# Altium PCB Main_Board.PcbDoc
Units mm, origin at the board's own origin, x right, y up, seen from the top; angles counter-clockwise.
Board outline 104.26 x 57.15 mm, 2 copper layers (Top Layer, Bottom Layer); 99 components, 86 nets, 371 pads, 337 vias.
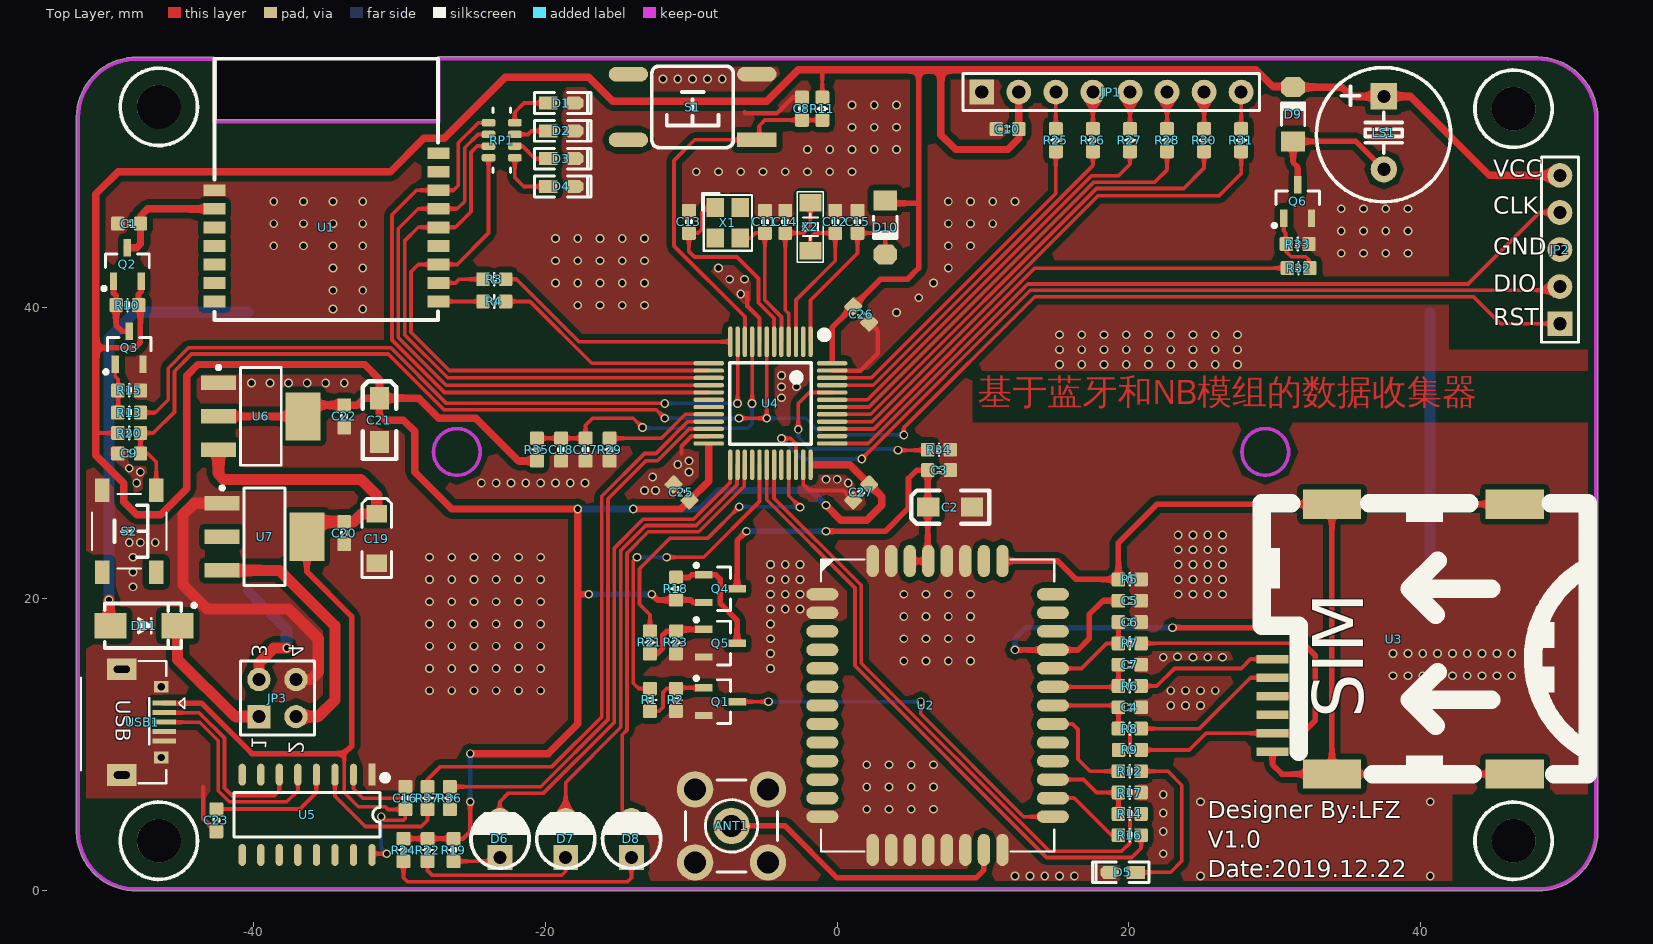
[diagram p0: Top Layer view]
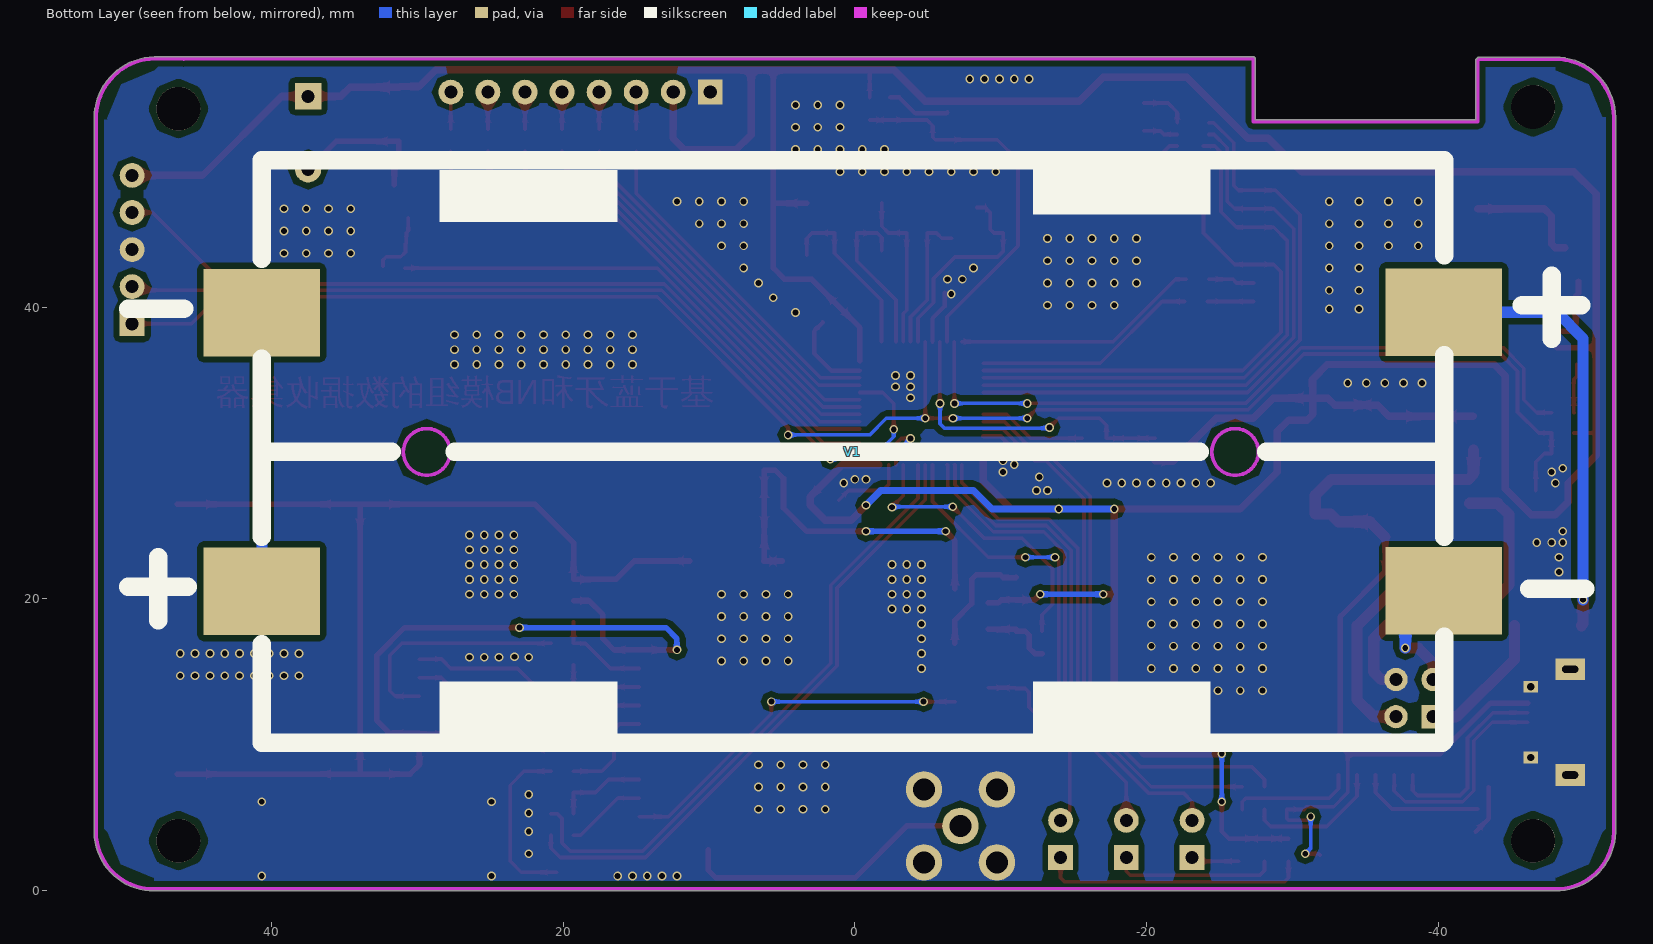
[diagram p1: Bottom Layer view, seen from below]

## Layer stack, top to bottom
Top Solder: solder mask 0.0102, Solder Resist, Dk 3.5
Top Layer: signal copper 0.0356
Dielectric 1: dielectric 0.32, FR-4, Dk 4.8
Bottom Layer: signal copper 0.0356
Bottom Solder: solder mask 0.0102, Solder Resist, Dk 3.5

## Board outline
-52.127,3.998 cw(c-52,4) -52.127,4 -52.127,53 cw(c-48,53) -48,57.127 -42.776,57.127 cw(c-42.776,57) -42.686,57.09 -42.582,56.986 -42.582,56.987 cw(c-42.672,56.896) -42.545,56.896 -42.545,52.832 -27.432,52.832 -27.432,57.023 cw(c-27.305,57.023) -27.305,57.15 47.999,57.15 cw(c48,57.023) 48.003,57.15 cw(c47.905,52.928) 52.128,52.928 cw(c47.905,52.928) 52.127,52.83 52.127,4 cw(c52,4) 52.127,3.998 cw(c48.064,4.063) 47.999,0 cw(c48.064,4.063) 47.998,0 48,0 -47.999,0 ccw(c-48.064,4.063) -47.998,0 -47.999,0 cw(c-48.064,4.063)

## Design rules (kind name [scope] priority, off if disabled: settings)
Clearance Clearance_2 [InNamedPolygon('GND_L02_P004')] p1: gap=0.381 ignorepadtopadclearanceinfootprint=FALSE
Clearance Clearance_1 [InNamedPolygon('GND_L01_P002')] p2: gap=0.381 ignorepadtopadclearanceinfootprint=FALSE
Clearance [All] p3: gap=0.254 ignorepadtopadclearanceinfootprint=FALSE except(0: Arc-Hole Track-Hole SMDPad-Hole THPad-Hole Via-Hole Fill-Hole Poly-Hole Region-Hole Text-Hole; 0.178: Arc-Arc Arc-Track Arc-SMDPad Track-Track Track-SMDPad SMDPad-SMDPad)
PlaneConnect isvia [isvia] p1: planeconnectstyle=Direct reliefexpansion=0.508 reliefentries=4 reliefconductorwidth=0.254 reliefairgap=0.254
PlaneConnect [All] p2: planeconnectstyle=Relief reliefexpansion=0.508 reliefentries=4 reliefconductorwidth=0.508 reliefairgap=0.254
PolygonConnect PolygonConnect_2 [All vs IsNamedPolygon('GND_L02_P004')] p1: connectstyle=Direct reliefconductorwidth=0.254 reliefentries=4 polygonreliefangle="90 Angle" airgapwidth=0.254
PolygonConnect PolygonConnect_1 [All vs IsNamedPolygon('GND_L01_P002')] p2: connectstyle=Direct reliefconductorwidth=0.254 reliefentries=4 polygonreliefangle="90 Angle" airgapwidth=0.254
PolygonConnect [All] p3: connectstyle=Relief reliefconductorwidth=0.254 reliefentries=4 polygonreliefangle="90 Angle" airgapwidth=0.254
RoomDefinition NB-Blue [InComponentClass('NB-Blue')] p1: confinementstyle=ConfineIn formatcopy=TRUE lockcomponents=FALSE outline -80.518,-28.194 499.237,-28.194 499.237,306.451 -80.518,306.451
RoutingVias [All] p1: holewidth=0.4 width=0.6 viastyle="Through Hole" minholewidth=0.3 minwidth=0.6 maxholewidth=3 maxwidth=3
SolderMaskExpansion [All] p1: expansion=0.102
Width [All] p1: maxlimit=5 minlimit=0.178 preferedwidth=0.254
29 further rules are at their usual default settings.

## Components (designator, comment, footprint, x,y, rotation, side; value= is the part's Value field where it differs from the comment)
ANT1 "ANT" SMA_FR -7.239,4.445 r180 top
C1 "100nF" 0603CC -48.514,45.72 r270 top
C2 "470uF/35V" C3216 7.747,26.289 r0 top
C3 "100nF" 0603CC 6.985,28.829 r270 top
C4 "33P" 0603CC 20.053,12.573 r90 top
C5 "100nF" 0603CC 20.053,19.875 r270 top
C6 "33P" 0603CC 20.053,18.415 r270 top
C7 "33P" 0603CC 20.053,15.494 r270 top
C8 "100nF" 0603CC -2.413,53.594 r180 top
C9 "10uF" 0603CC -48.514,29.972 r90 top
C10 "100nF" 0603CC 11.684,52.197 r270 top
C11 "22p" 0603CC -4.953,45.847 r0 top
C12 "22p" 0603CC -0.127,45.847 r180 top
C13 "22p" 0603CC -10.16,45.847 r0 top
C14 "22p" 0603CC -3.556,45.847 r180 top
C15 "100nF" 0603CC 1.397,45.847 r180 top
C16 "100nF" 0603CC -29.591,6.35 r180 top
C17 "10uF" 0603CC -17.243,30.239 r180 top
C18 "100nF" 0603CC -18.914,30.239 r180 top
C19 "470uF/35V" "CD A(3216)" -31.548,24.13 r270 top
C20 "100nF" 0603CC -33.782,24.511 r180 top
C21 "470uF/35V" C3216 -31.369,32.258 r270 top
C22 "100nF" 0603CC -33.782,32.512 r180 top
C23 "100nF" 0603CC -42.545,4.826 r0 top
C25 "1uF" 0603CC -10.668,27.305 r45 top
C26 "100nF" 0603CC 1.651,39.497 r225 top
C27 "10nF" 0603CC 1.651,27.305 r135 top
D1 "LED" "LED 0603G" -18.923,53.975 r0 top
D2 "LED" "LED 0603G" -18.923,52.07 r0 top
D3 "LED" "LED 0603G" -18.923,50.165 r0 top
D4 "LED" "LED 0603G" -18.923,48.26 r0 top
D5 "LED" "LED 0603G" 19.558,1.27 r180 top
D6 "LED" "LED 3MM-G" -23.114,3.556 r90 top
D7 "LED" "LED 3MM-G" -18.605,3.556 r90 top
D8 "LED" "LED 3MM-G" -14.097,3.556 r90 top
D9 "1N4148" "MINI_MELF (LL34)" 31.242,53.213 r90 top
D10 "1N4148" "MINI_MELF (LL34)" 3.302,45.466 r270 top
D11 "SS34" SMA -47.498,18.161 r0 top
JP1 "HDR-1X8" HDR2.54-M-LI-8P 18.796,54.737 r0 top
JP2 "HDR-1X5" HDR2.54-LI-5P 49.53,43.942 r90 top
JP3 "Header2X2" HDR2.54-LI-2x2P -38.354,13.208 r90 top
LS1 "DC5V" "BEEP 5x9x5.5" 37.465,51.943 r180 top
Q1 "SS8050" SOT23-3N -8.001,12.96 r270 top
Q2 "AO3401" SOT23-3N -48.641,42.926 r0 top
Q3 "SS8050" SOT23-3N -48.514,37.211 r0 top
Q4 "AO3401" SOT23-3N -8.001,20.701 r270 top
Q5 "SS8050" SOT23-3N -8.001,16.968 r270 top
Q6 "SS8050" SOT23-3N 31.562,47.244 r0 top
R1 "1K" 0603RR -12.827,13.081 r0 top
R2 "10K" 0603RR -11.049,13.081 r0 top
R3 "10R" 0603RR -23.495,41.91 r90 top
R4 "10R" 0603RR -23.495,40.386 r90 top
R5 "0R" 0603RR 20.053,21.336 r90 top
R6 "10R" 0603RR 20.053,14.034 r90 top
R7 "10R" 0603RR 20.053,16.954 r90 top
R8 "10R" 0603RR 20.053,11.112 r90 top
R9 "10K" 0603RR 20.066,9.652 r270 top
R10 "10K" 0603RR -48.641,40.132 r90 top
R11 "10K" 0603RR -1.016,53.594 r180 top
R12 "470R" 0603RR 20.053,8.191 r90 top
R13 "1K" 0603RR -48.514,32.766 r270 top
R14 "1K" 0603RR 20.053,5.271 r90 top
R15 "10K" 0603RR -48.514,34.29 r90 top
R16 "10R" 0603RR 20.053,3.81 r90 top
R17 "10K" 0603RR 20.053,6.731 r90 top
R18 "10K" 0603RR -11.049,20.701 r0 top
R19 "470R" 0603RR -26.289,2.794 r0 top
R20 "10K" 0603RR -48.514,31.369 r270 top
R21 "1K" 0603RR -12.827,17.018 r0 top
R22 "470R" 0603RR -28.067,2.794 r0 top
R23 "10K" 0603RR -11.049,17.018 r0 top
R24 "470R" 0603RR -29.718,2.794 r0 top
R25 "200R" 0603RR 14.986,51.435 r180 top
R26 "200R" 0603RR 17.526,51.435 r180 top
R27 "200R" 0603RR 20.066,51.435 r180 top
R28 "200R" 0603RR 22.606,51.435 r180 top
R29 "10K" 0603RR -15.592,30.239 r0 top
R30 "200R" 0603RR 25.146,51.435 r180 top
R31 "200R" 0603RR 27.686,51.435 r180 top
R32 "1K" 0603RR 31.623,42.672 r90 top
R33 "10K" 0603RR 31.562,44.323 r90 top
R34 "10K" 0603RR 6.985,30.226 r270 top
R35 "10R" 0603RR -20.574,30.239 r180 top
R36 "220" 0603RR -26.543,6.35 r0 top
R37 "220" 0603RR -28.067,6.35 r0 top
RP1 "470" 4x0603 -22.987,51.435 r270 top
S1 "SW-PB" "TSW SMD-6*6*6" -9.906,53.721 r180 top
S2 "SW-PB" "TSW SMD-4*4*1.5" -48.514,24.638 r270 top
U1 "XG-BM02X" XG-BM02X -42.672,39.116 r0 top
U2 "NBXX-01" X_LSD4NBN-LB05000001 -1.016,20.32 r0 top
U3 "USIM_6P" "SIM 6P 自弹" 33.909,8.001 r90 top
U4 "STM32F103C8" "LQFP48 7X7_M" -4.572,33.401 r180 top
U5 "CH340C" SOP16_L -36.322,5.207 r270 top
U6 "AMS1117-3.3" SOT223_N -39.497,32.512 r0 top
U7 "AMS1117-5.0V" SOT223_N -39.243,24.257 r0 top
USB1 "USB-5P" USB-MICRO_A -49.022,11.557 r270 top
V1 "18650*2" 18650*2 40.64,30.099 r180 bottom locked
X1 "8M" "OSC 3225-4P" -7.495,45.773 r270 top
X2 "32.768K" "OSC 3215-2P" -1.837,45.503 r270 top

## Footprints (in the part's own frame and the unit in brackets; to place one, negate y for a bottom-side part, rotate by r counter-clockwise, add the part's x,y. Pads: shape width x height; smd on the part's side, far side on the other; paste and mask are expansions set on the pad)
4x0603 [mm]
  rrect50% 0.508x0.94 smd mask+0.051: 1(-1.2,-0.9) 2(-0.4,-0.9) 3(0.4,-0.9) 4(1.2,-0.9) 5(1.2,0.9) 6(0.4,0.9) 7(-0.4,0.9) 8(-1.2,0.9)
  silkscreen extent -2.2,-0.6 2.2,0.6
0603CC [mm]
  rrect20% 0.95x0.92 smd: 1(0,0.775) 2(0,-0.775)
  silkscreen extent -0.17,-0.1 0.18,0.1, body extent -0.39,-0.8 0.39,0.8, height 0.79
0603RR [mm]
  rrect20% 0.95x0.92 smd: 1(0,0.775) 2(0,-0.775)
  silkscreen extent -0.43,-0.13 0.43,0.13, body extent -0.39,-0.8 0.39,0.8, height 0.3
18650*2 [mm]
  rect 8x6 smd: 1(0,-9.575) 2(81,-9.55) 3(81,9.55) 4(0,9.525)
  Keep-Out Layer circle w0.254: c66.7,-0.025 r1.6
  Keep-Out Layer circle w0.254: c11.3,-0.025 r1.6
  silkscreen extent -9.14,-19.95 90.68,19.95, body extent 4.06,-19.52 76.96,19.78, height 18
"BEEP 5x9x5.5" [mm] "5*9*5.5mm(脚距,直径,高度)"
  rect 1.8x1.8 hole 0.9: 1(0,-2.5)
  round 1.8 hole 0.9: 2(0,2.5)
  silkscreen extent -4.58,-4.47 4.62,4.72, body extent -4.5,-4.5 4.5,4.5, height 5.45
C3216 [mil] "A型/1206 3.2mmx1.6mm（蒜米工坊）"
  rect 60x51.18 smd: 1(-59,0) 2(59,0)
  silkscreen extent -105,-45 105,45, body extent -63,-31 63,32, height 63
"CD A(3216)" [mm] "长3.2mm，宽1.6mm，厚1.6mm"
  rect 1.2x1.4 smd: 1(-1.7,0) 2(1.7,0)
  silkscreen extent -2.74,-1.02 2.67,1.02, body extent -1.6,-0.8 1.6,0.8, height 1.6
HDR2.54-LI-2x2P [mm] "双排排针，2x2脚"
  rect 1.6x1.6 hole 0.9: 1(-1.27,1.27)
  round 1.6 hole 0.9: 2(-1.27,-1.27) 3(1.27,1.27) 4(1.27,-1.27)
  silkscreen extent -2.54,-2.54 2.54,2.54, body extent -2.54,-2.54 2.54,2.54, height 8.5
HDR2.54-LI-5P [mm] "排针，5脚"
  rect 1.7x1.7 hole 0.9: 1(-5.08,0)
  round 1.7 hole 0.9: 2(-2.54,0) 3(0,0) 4(2.54,0) 5(5.08,0)
  silkscreen extent -6.35,-1.27 6.35,1.27, body extent -6.35,-1.27 6.35,1.27, height 8.5
HDR2.54-M-LI-8P [mm] "排母，8脚"
  rect 1.7x1.7 hole 0.9: 1(-8.89,0)
  round 1.7 hole 0.9: 2(-6.35,0) 3(-3.81,0) 4(-1.27,0) 5(1.27,0) 6(3.81,0) 7(6.35,0) 8(8.89,0)
  silkscreen extent -10.16,-1.27 10.16,1.27, body extent -10.16,-1.27 10.16,1.27, height 8.5
"LED 3MM-G" [mm] "绿色3mm直插LED"
  rect 1.7x1.7 hole 0.9: 1(-1.27,0)
  round 1.7 hole 0.9: 2(1.27,0)
  silkscreen extent -2.01,-2 1.72,1.98, body extent -1.95,-1.95 1.64,1.95, height 5.55
"LED 0603G" [mil] "绿色0603LED"
  rect 50x35 smd: 1(-35,0.26)
  oct 50x35 smd: 2(35,0.26)
  silkscreen extent -71,-28 81,28, body extent -31,-16 32,16, height 18
"LQFP48 7X7_M" [mm] "48脚，体宽7x7mm，脚距0.5mm"
  oval 0.3x2.1 smd: 1(-2.75,-4.227) 2(-2.25,-4.227) 3(-1.75,-4.227) 4(-1.25,-4.227) 5(-0.75,-4.227) 6(-0.25,-4.227) 7(0.25,-4.227) 8(0.75,-4.227) 9(1.25,-4.227) 10(1.75,-4.227) 11(2.25,-4.227) 12(2.75,-4.227) 25(2.75,4.202) 26(2.25,4.202) 27(1.75,4.202) 28(1.25,4.202) 29(0.75,4.202) 30(0.25,4.202) 31(-0.25,4.202) 32(-0.75,4.202) 33(-1.25,4.202) 34(-1.75,4.202) 35(-2.25,4.202) 36(-2.75,4.202)
  oval 2.1x0.3 smd: 13(4.227,-2.75) 14(4.227,-2.25) 15(4.227,-1.75) 16(4.227,-1.25) 17(4.227,-0.75) 18(4.227,-0.25) 19(4.227,0.25) 20(4.227,0.75) 21(4.227,1.25) 22(4.227,1.75) 23(4.227,2.25) 24(4.227,2.75) 37(-4.227,2.75) 38(-4.227,2.25) 39(-4.227,1.75) 40(-4.227,1.25) 41(-4.227,0.75) 42(-4.227,0.25) 43(-4.227,-0.25) 44(-4.227,-0.75) 45(-4.227,-1.25) 46(-4.227,-1.75) 47(-4.227,-2.25) 48(-4.227,-2.75)
  silkscreen extent -3.93,-4.95 2.79,2.79, body extent -4.5,-4.5 4.5,4.5, height 1.45
"MINI_MELF (LL34)" [mm] "1.5*3.4mm(直径，脚距）"
  rect 1.37x1.62 smd: 1(-1.855,0)
  oct 1.37x1.62 smd: 2(1.855,0)
  silkscreen extent -0.76,-0.8 0.78,0.8, body extent -1.7,-0.75 1.7,0.75, height 1.5
"OSC 3215-2P" [mm] "3.2*1.5*0.6mm(长宽高)"
  rect 1.2x1.5 smd: 1(-1.65,0) 2(1.65,0)
  silkscreen extent -2.41,-0.89 2.41,0.89, body extent -1.6,-0.75 1.6,0.75, height 0.61
"OSC 3225-4P" [mm] "3.2*2.5*0.7mm(长宽高)"
  rect 1.3x1.2 smd: 1(-1.05,-0.85) 2(1.05,-0.85) 3(1.05,0.85) 4(-1.05,0.85)
  silkscreen extent -2.03,-1.75 1.91,1.65, body extent -1.6,-1.25 1.6,1.25, height 0.7
"SIM 6P 自弹" [mm]
  rect 0.6x2.2 smd: 1(2.794,4.064) 2(5.334,4.064) 3(7.874,4.064) 4(1.524,4.064) 5(4.064,4.064) 6(6.604,4.064)
  rect 2x4 smd: 4(0,0) 4(0,-12.53) 4(18.49,-12.53) 4(18.49,0)
  silkscreen extent 0,-17.53 18.54,4.83, body extent 1.27,-17.53 17.53,4.83, height 1.25
SMA [mm] "4.5x2.6*2.2mm（长宽高，不包括引脚）"
  rect 2.2x1.75 smd: 1(-2.3,0) 2(2.3,0)
  silkscreen extent -2.7,-1.52 3.56,1.52, body extent -2.53,-1.3 2.58,1.3, height 2.15
SMA_FR [mm] "SMA 90度射频天线座"
  round 2.5 hole 1.5: 1(0,0) 2(-2.5,2.5) 2(2.5,2.5) 3(-2.5,-2.5) 3(2.5,-2.5)
  silkscreen extent -3.15,-3.15 3.15,3.15, body extent -3.5,-3.5 3.5,11.6, height 10.26
SOP16_L [mm] "10.3*6.2*1.8mm（长宽高）"
  rect 1.5x0.5 smd: 1(-2.752,4.445)
  oval 1.5x0.5 smd: 2(-2.752,3.175) 3(-2.752,1.905) 4(-2.752,0.635) 5(-2.752,-0.635) 6(-2.752,-1.905) 7(-2.752,-3.175) 8(-2.752,-4.445) 9(2.752,-4.445) 10(2.752,-3.175) 11(2.752,-1.905) 12(2.752,-0.635) 13(2.752,0.635) 14(2.752,1.905) 15(2.752,3.175) 16(2.752,4.445)
  silkscreen extent -2.69,-5 1.52,5.49, body extent -3,-5 3,5, height 1.9
SOT23-3N [mm] "3x1.3x1mm(长宽高)"
  rect 0.5x1.2 smd: 1(-0.95,-1.143) 2(0.95,-1.143) 3(0,1.143)
  silkscreen extent -1.72,-1.78 1.5,0.7, body extent -1.5,-1.2 1.5,1.2, height 1.05
SOT223_N [mm] "SOT223, 4-Leads, Body 6.5x3.5mm, Pitch 2.3mm, Lead Span 7mm, IPC Medium Density"
  rect 2.4x1 smd: 1(-2.9,2.3) 2(-2.9,0) 3(-2.9,-2.3)
  rect 2.4x3.3 smd: 4(2.9,0)
  silkscreen extent -3.02,-3.35 1.4,3.47, body extent -1.85,-3.35 1.85,3.35, height 1.7
"TSW SMD-4*4*1.5" [mm] "轻触开关，长宽高：4*4*1.5mm"
  rect 1.6x1 smd: 1(-2.8,1.85) 2(-2.8,-1.85) 3(2.8,-1.85) 4(2.8,1.85)
  silkscreen extent -2.55,-2.55 2.55,2.55, body extent -3.2,-2.6 3.2,2.6, height 1.5
"TSW SMD-6*6*6" [mm] "6*6*6mm"
  rect 2.7x1 smd: 1(-4.4,2.261)
  oval 2.7x1 smd: 2(-4.4,-2.239) 3(4.4,-2.239) 4(4.4,2.261)
  silkscreen extent -2.79,-2.79 2.79,2.79, body extent -4.5,-3 4.5,3, height 5.95
USB-MICRO_A [mm] "micro型USB ，5.7*7.8*2.5mm"
  rect 0.35x1.6 smd: 1(-1.3,2.9) 2(-0.65,2.9) 3(0,2.9) 4(0.65,2.9) 5(1.3,2.9)
  rect 1.5x2 hole 0.5 slot 1.1 at 90 deg: 5(-3.625,0) 5(3.625,0)
  rect 0.8x1 hole 0.5: 5(-2.425,2.71) 5(2.425,2.71)
  silkscreen extent -4.19,-2.79 4.19,4.3, body extent -4,-2.71 4,2.89, height 2.8
X_LSD4NBN-LB05000001 [mm]
  round 0.6 on Top Overlay mask+0.051: 1(-1.62,0.02)
  oval 2.2x0.85 smd: 1(0,0) 2(0,-1.27) 3(0,-2.54) 4(0,-3.81) 5(0,-5.08) 6(0,-6.35) 7(0,-7.62) 8(0,-8.89) 9(0,-10.16) 10(0,-11.43) 11(0,-12.7) 12(0,-13.97) 13(0,-15.24) 22(15.8,-15.24) 23(15.8,-13.97) 24(15.8,-12.7) 25(15.8,-11.43) 26(15.8,-10.16) 27(15.8,-8.89) 28(15.8,-7.62) 29(15.8,-6.35) 30(15.8,-5.08) 31(15.8,-3.81) 32(15.8,-2.54) 33(15.8,-1.27) 34(15.8,0)
  round 0.6 on Mech1 mask+0.051: 2(1.82,0.02)
  oval 0.85x2.2 smd: 14(3.455,-17.52) 15(4.725,-17.52) 16(5.995,-17.52) 17(7.265,-17.52) 18(8.535,-17.52) 19(9.805,-17.52) 20(11.075,-17.52) 21(12.345,-17.52) 35(12.345,2.28) 36(11.075,2.28) 37(9.805,2.28) 38(8.535,2.28) 39(7.265,2.28) 40(5.995,2.28) 41(4.725,2.28) 42(3.455,2.28)
  silkscreen extent -0.1,-17.62 15.9,2.38, body extent -0.1,-17.62 15.9,2.38, height 2.2
XG-BM02X [mil]
  rect 59.06x32 smd: 1(0,350) 2(0,300) 3(0,250) 4(0,200) 5(0,150) 6(0,100) 7(0,50) 8(604,50) 9(604,100) 10(604,150) 11(604,200) 12(604,250) 13(604,300) 14(604,350) 15(604,400) 16(604,450)
  silkscreen extent 0,0 603,705

## Part data
ANT1: "SMA天线座"
C1 C3 C4 C5 C6 C7 C8 C9 C10 C11 C12 C13 C14 C15 C16 C17 C18 C20 C22 C23 C25 C26 C27: library part cap
C2 C19 C21: library part Ecap
D9: "高速开关二极管", BOM名称=高速开关二极管, 学习资源=www.ooocke.com, 版权归属=源创客
D10: library part D
D11: library part Diod
JP1: library part "Header 8", "8P接插件", BOM名称=8P接插件, 学习资源=www.ooocke.com, 版权归属=源创客
JP2: library part "Header 5", "5P接插件", BOM名称=5P接插件, 学习资源=www.ooocke.com, 版权归属=源创客
JP3: library part "Header 2X2", "2*2P接插件", BOM名称=2*2P接插件, 学习资源=www.ooocke.com, 版权归属=源创客
LS1: library part BEEP, "蜂鸣器", BOM名称=蜂鸣器, 学习资源=www.ooocke.com, 版权归属=源创客
Q1 Q3 Q5 Q6: library part 8050-SMD, "高频放大-NPN型", BOM名称=高频放大-NPN型, 学习资源=www.ooocke.com, 属性="40V 1.5A 1W 100MHZ", 版权归属=源创客
Q2 Q4: library part SI2301, "P沟道场效应管", BOM名称=P沟道场效应管, 学习资源=www.ooocke.com, 版权归属=源创客
R1 R2 R3 R4 R5 R6 R7 R8 R9 R10 R11 R12 R13 R14 R15 R16 R17 R18 R19 R20 R21 R22 R23 R24 R25 R26 R27 R28 R29 R30 R31 R32 R33 R34 R35 R36 R37: library part res
RP1: library part Resistor_Pack
S1 S2: "Switch", LatestRevisionDate=17-Jul-2002, LatestRevisionNote="Re-released for DXP Platform.", PackageReference=SPST-2, Published=24-Mar-1999, Publisher="Altium Limited"
U2: library part NB
U3: library part USIM-6P
U4: "Flaah:64/RAM:20/IO:36", BOM名称=32位STM单片机, 学习资源=www.ooocke.com, 版权归属=源创客
U6 U7: library part AMS1117
USB1: "微型USB母座", BOM名称=微型USB母座, 学习资源=www.ooocke.com, 版权归属=源创客
V1: library part 18650-2P
X1: library part XTAL-4P, "4脚无源晶振", BOM名称=4脚无源晶振, 学习资源=www.ooocke.com, 版权归属=源创客
X2: library part XTAL-2P, "2脚无源脚晶振", BOM名称=2脚无源脚晶振, 学习资源=www.ooocke.com, 版权归属=源创客

## Free pads (board coordinates)
  round 3 hole 3 unplated: 1(-46.482,53.721) 2(-46.482,3.429) 3(46.355,3.429) 4(46.355,53.594)

## Via types
v1: diameter 0.6, hole 0.4, Top Layer to Bottom Layer, tented both sides, 337 vias

## Nets (pads, with @x,y where several pads share a name; then routed paths per layer and width w, separated by ;. In a path a pad name is that pad's centre, name@x,y a point inside that pad or via, vN(x,y) a via of type N, cw(c..) or ccw(c..) an arc to the next point about the centre after c; other vN are vias at no path point)
ANT: ANT1.1 U2.20 | length 20.4
  Top Layer w0.381: ANT1.1 -3.556,4.445 0,0.889 9.525,0.889 10.059,1.423 U2.20
BEEP: R32.1 U4.39 | length 35.8
  Top Layer w0.254: U4.39 2.519,31.651 13.54,42.672 R32.1
Blue_EN: RP1.3 U1.12 U4.15 | length 39.3
  Top Layer w0.254: RP1.3 -24.657,51.035 -25.095,50.597 -25.095,46.533 -26.162,45.466 U1.12 -28.702,45.466 -29.642,44.526 -29.642,38.102 -26.691,35.151 U4.15
Blue_IN: RP1.2 U1.13 U4.16 | length 40.7
  Top Layer w0.254: RP1.2@-24.268,51.835 -24.619,51.835 -25.527,50.927 -25.527,47.244 -26.035,46.736 U1.13 -28.702,46.736 -30.074,45.364 -30.074,37.923 -26.801,34.651 U4.16
Blue_Power_Control: R13.1 U4.11 | length 49.8
  Top Layer w0.254: R13.1 -46.736,32.766 -45.847,33.655 -45.847,35.814 -44.45,37.211 -30.583,37.211 -26.774,33.402 -23.952,33.402 ; -23.952,33.401 v1(-11.811,33.401) ; v1(-6.822,33.401) U4.11
  Bottom Layer w0.254: v1(-11.811,33.401) v1(-6.822,33.401)
Blue_RST: RP1.1 U1.14 U4.17 | length 42.3
  Top Layer w0.254: RP1.1@-24.268,52.635 -24.581,52.635 -25.959,51.257 -25.959,48.336 -26.289,48.006 U1.14 -28.829,48.006 -30.505,46.33 -30.505,37.744 -26.912,34.151 U4.17
Blue_RXD_PA2: R3.2 U4.12 | length 17.2
  Top Layer w0.254: R3.2 -21.971,41.91 -17.689,37.628 U4.12
Blue_STATE: RP1.4 U1.10 U4.14 | length 37.2
  Top Layer w0.254: RP1.4 -23.887,45.074 -26.035,42.926 U1.10 -28.702,42.926 -29.21,42.418 -29.21,38.281 -26.58,35.651 U4.14
Blue_TXD_PA3: R4.2 U4.13 | length 15.5
  Top Layer w0.254: R4.2@-22.593,40.386 -21.058,40.386 -16.823,36.151 U4.13
GND: ANT1.2 ANT1.3 C1.2 C2.2 C3.1 C4.2 C5.1 C6.1 C7.1 C8.2 C9.1 C10.2 C11.1 C12.2 C13.1 C14.2 C15.2 C16.2 C17.1 C18.1 C19.2 C20.1 C21.2 C22.1 C23.2 C25.1 C26.1 C27.1 D1.2 D2.2 D3.2 D4.2 D5.2 JP1.1 JP2.3 JP3.4 Q1.2 Q3.2 Q5.2 Q6.2 R2.2 R5.2 R15.2 R17.2 R23.2 R29.2 R33.2 R34.1 S1.2 S2.2 U1.1 U2.1@-1.016,20.32 U2.2@-1.016,19.05 U2.13 U2.14 U2.15 U2.16 U2.17 U2.18 U2.19 U2.21 U2.37 U2.38 U2.41 U2.42 U4.8 U4.23 U4.35 U4.47 U5.1 U6.1 U7.1 USB1.4 USB1.5 | length 48.1
  Top Layer w0.254: U4.35 -2.322,27.849 -1.905,27.432 0.428,27.432 C27.1
  Top Layer w0.305: -43.434,7.112 -43.434,4.94 C23.2 ; -10.668,29.972 -10.668,30.468 -9.985,31.151 U4.23 ; -6.35,53.34 -6.286,53.276 -4.128,53.276 -3.035,54.369 C8.2 ; -6.147,40.996 -6.147,40.056 -5.322,39.231 U4.8 ; U4.47 1.615,35.651 2.794,36.83 2.794,38.354 C26.1
  Top Layer w0.762: U7.1 -44.055,26.557 -44.831,25.781 -44.831,20.955 -43.18,19.304 -37.592,19.304 -35.56,17.272 -35.56,14.986 -36.068,14.478 JP3.4
  other v1: 12.192,1.016 13.208,1.016 14.224,1.016 15.24,1.016 16.256,1.016 24.892,1.016 40.64,1.016 22.352,2.54 22.352,4.064 22.352,5.334 2.032,5.588 3.556,5.588 5.08,5.588 6.604,5.588 24.892,6.096 40.64,6.096 22.352,6.604 2.032,7.112 3.556,7.112 5.08,7.112 6.604,7.112 2.032,8.636 3.556,8.636 5.08,8.636 6.604,8.636 22.86,12.7 23.876,12.7 24.892,12.7 -27.94,13.716 -26.416,13.716 -24.892,13.716 -23.368,13.716 -21.844,13.716 -20.32,13.716 22.86,13.716 23.876,13.716 24.892,13.716 25.908,13.716 38.1,14.732 39.116,14.732 40.132,14.732 41.148,14.732 42.164,14.732 43.18,14.732 44.196,14.732 45.212,14.732 46.228,14.732 -27.94,15.24 -26.416,15.24 -24.892,15.24 -23.368,15.24 -21.844,15.24 -20.32,15.24 -4.572,15.24 4.572,15.748 6.096,15.748 7.62,15.748 9.144,15.748 22.352,16.002 24.384,16.002 25.4,16.002 26.416,16.002 23.325,16.034 -4.572,16.256 38.1,16.256 39.116,16.256 40.132,16.256 41.148,16.256 42.164,16.256 43.18,16.256 44.196,16.256 45.212,16.256 46.228,16.256 -27.94,16.764 -26.416,16.764 -24.892,16.764 -23.368,16.764 -21.844,16.764 -20.32,16.764 -4.572,17.272 4.572,17.272 6.096,17.272 7.62,17.272 9.144,17.272 -27.94,18.288 -26.416,18.288 -24.892,18.288 -23.368,18.288 -21.844,18.288 -20.32,18.288 -4.572,18.288 4.572,18.796 6.096,18.796 7.62,18.796 9.144,18.796 -4.572,19.304 -3.556,19.304 -2.54,19.304 -27.94,19.812 -26.416,19.812 -24.892,19.812 -23.368,19.812 -21.844,19.812 -20.32,19.812 -4.572,20.32 -3.556,20.32 -2.54,20.32 4.572,20.32 6.096,20.32 7.62,20.32 9.144,20.32 23.368,20.32 24.384,20.32 25.4,20.32 26.416,20.32 -48.26,20.828 -27.94,21.336 -26.416,21.336 -24.892,21.336 -23.368,21.336 -21.844,21.336 -20.32,21.336 -4.572,21.336 -3.556,21.336 -2.54,21.336 23.368,21.336 24.384,21.336 25.4,21.336 26.416,21.336 -48.26,21.844 -4.572,22.352 -3.556,22.352 -2.54,22.352 23.368,22.352 24.384,22.352 25.4,22.352 26.416,22.352 -48.26,22.86 -27.94,22.86 -26.416,22.86 -24.892,22.86 -23.368,22.86 -21.844,22.86 -20.32,22.86 23.368,23.368 24.384,23.368 25.4,23.368 26.416,23.368 -48.514,23.876 -47.752,23.876 -46.736,23.876 23.368,24.384 24.384,24.384 25.4,24.384 26.416,24.384 -48.514,24.638 -13.208,27.432 -12.446,27.432 -48.006,27.94 -24.384,27.94 -23.368,27.94 -22.352,27.94 -21.336,27.94 -20.32,27.94 -19.304,27.94 -18.288,27.94 -17.272,27.94 0.762,27.94 -0.762,28.194 0,28.194 -12.643,28.363 -47.752,28.702 -10.16,28.702 -48.514,28.956 -10.922,29.21 -10.16,29.464 -3.81,33.782 -3.81,34.544 -2.794,34.544 -40.132,34.798 -38.862,34.798 -37.592,34.798 -36.322,34.798 -35.052,34.798 -33.782,34.798 -3.81,35.306 -2.794,35.306 15.24,36.068 16.764,36.068 18.288,36.068 19.812,36.068 21.336,36.068 22.86,36.068 24.384,36.068 25.908,36.068 27.432,36.068 15.24,37.084 16.764,37.084 18.288,37.084 19.812,37.084 21.336,37.084 22.86,37.084 24.384,37.084 25.908,37.084 27.432,37.084 15.24,38.1 16.764,38.1 18.288,38.1 19.812,38.1 21.336,38.1 22.86,38.1 24.384,38.1 25.908,38.1 27.432,38.1 4.064,39.624 -34.544,39.878 -32.512,39.878 -17.78,40.132 -16.256,40.132 -14.732,40.132 -13.208,40.132 5.588,40.64 -6.604,40.894 -34.544,41.148 -32.512,41.148 -19.304,41.656 -17.78,41.656 -16.256,41.656 -14.732,41.656 -13.208,41.656 6.604,41.656 -7.366,41.91 -6.35,41.91 -34.544,42.672 -32.512,42.672 -8.128,42.672 7.62,42.672 -19.304,43.18 -17.78,43.18 -16.256,43.18 -14.732,43.18 -13.208,43.18 34.544,43.688 36.068,43.688 37.592,43.688 39.116,43.688 -38.608,44.196 -36.576,44.196 -34.544,44.196 -32.512,44.196 7.62,44.196 9.144,44.196 -19.304,44.704 -17.78,44.704 -16.256,44.704 -14.732,44.704 -13.208,44.704 34.544,45.212 36.068,45.212 37.592,45.212 39.116,45.212 -38.608,45.72 -36.576,45.72 -34.544,45.72 -32.512,45.72 7.62,45.72 9.144,45.72 10.668,45.72 34.544,46.736 36.068,46.736 37.592,46.736 39.116,46.736 -38.608,47.244 -36.576,47.244 -34.544,47.244 -32.512,47.244 7.62,47.244 9.144,47.244 10.668,47.244 12.192,47.244 -9.652,49.276 -8.128,49.276 -6.604,49.276 -5.08,49.276 -3.556,49.276 -2.032,49.276 -0.508,49.276 1.016,49.276 -2.032,50.8 -0.508,50.8 1.016,50.8 2.54,50.8 4.064,50.8 1.016,52.324 2.54,52.324 4.064,52.324 1.016,53.848 2.54,53.848 4.064,53.848 -11.938,55.626 -10.922,55.626 -9.906,55.626 -8.89,55.626 -7.874,55.626
LED1: D6.2 U4.25 | length 34.3
  Top Layer w0.254: D6.2 -23.114,6.096 -22.517,6.693 -20.128,6.693 -15.265,11.556 -15.265,23.495 -13.297,25.463 -9.842,25.463 -7.322,27.984 U4.25
LED2: D7.2 U4.26 | length 31.3
  Top Layer w0.254: D7.2 -18.605,7.429 -14.834,11.201 -14.834,23.316 -13.118,25.032 -9.664,25.032 -6.867,27.828 -6.867,29.199 U4.26
LED3: D8.2 U4.27 | length 30.2
  Top Layer w0.254: D8.2 -14.732,5.461 -14.732,10.692 -14.402,11.023 -14.402,23.137 -12.939,24.6 -9.485,24.6 -6.367,27.717 -6.367,29.199 U4.27
MCU_3.3V: C10.1 C21.1 C22.2 C25.2 C26.2 C27.2 D9.2 D10.1 JP1.2 JP2.5 LS1.1 Q2.2 Q4.2 R10.2 R11.2 R18.2 R19.1 R20.2 R22.1 R24.1 R35.1 U4.24 U4.36 U4.48 U6.2 U6.4 | length 331.7
  Top Layer w0.254: -50.927,31.369 R20.2 ; R11.2 -1.016,56.261
  Top Layer w0.305: R24.1 R22.1 R19.1 -25.641,3.569 -25.146,4.064 v1(-25.146,6.096)
  Top Layer w0.381: -50.8,37.211 -48.133,37.211 -47.752,37.592 -47.752,40.018 R10.2 -47.879,40.145 -47.879,40.894 -47.691,41.082 Q2.2 ; -17.78,20.32 v1(-17.018,20.32) ; v1(-12.7,20.32) -12.306,19.926 R18.2 -11.036,19.939 -10.033,19.939 -9.845,19.751 Q4.2 ; -0.345,36.322 -0.345,38.597 C26.2 2.968,41.91 4.826,41.91 5.588,42.672 5.588,46.99 ; D10.1@3.302,47.117 5.461,47.117 5.588,46.99 ; 5.588,56.261 5.588,46.99
  Top Layer w0.508: U6.2 U6.4 -35.822,33.287 C22.2 -32.88,33.287 -32.41,33.757 C21.1 ; v1(-25.146,9.398) -19.812,9.398 -17.78,11.43 -17.78,20.32 v1(-17.78,26.162) -26.416,26.162 -28.956,28.702 -28.956,31.496 -29.718,32.258 -30.988,32.258 -31.369,32.639 C21.1 ; R35.1 -21.844,29.464 -24.765,32.385 -27.305,32.385 -28.677,33.757 C21.1 ; v1(-13.97,26.162) -10.715,26.162 C25.2 -8.799,28.078 -8.799,30.429 ; -1.651,29.199 0.853,29.199 C27.2 3.048,27.004 3.048,26.416 2.032,25.4 0.254,25.4 v1(-0.762,26.416) ; JP1.2@12.446,55.118 JP1.2 12.446,52.21 C10.1 12.459,51.575 11.684,50.8 8.128,50.8 7.112,51.816 7.112,56.261 ; JP2.5 44.704,49.022 39.283,54.443 LS1.1 35.219,54.443 34.594,55.068 D9.2 31.192,55.118 29.845,55.118 28.702,56.261 7.112,56.261 ; C21.1 -31.369,35.052 -32.385,36.068 -43.815,36.068 -44.577,35.306 -44.577,27.559 -46.355,25.781 -48.006,25.781 -48.895,26.67 -48.895,27.94 -50.8,29.845 -50.8,37.211 -50.8,47.752 -49.276,49.276 -30.607,49.276 -28.321,51.562 -26.924,51.562 -22.733,55.753 -17.018,55.753 -15.367,54.102 -4.826,54.102 -2.667,56.261 -1.016,56.261 5.588,56.261 7.112,56.261
  Bottom Layer w0.305: v1(-25.146,6.096) v1(-25.146,9.398)
  Bottom Layer w0.381: v1(-17.018,20.32) v1(-12.7,20.32)
  Bottom Layer w0.508: v1(-17.78,26.162) v1(-13.97,26.162) -9.398,26.162 -8.128,27.432 -1.778,27.432 v1(-0.762,26.416)
MCU_RST: C9.2 JP2.1 R20.1 S2.1 U4.7 | length 118.2
  Top Layer w0.254: S2.1 -46.664,29.392 -47.244,29.972 C9.2 R20.1 -46.863,31.369 -45.415,32.817 -45.415,35.611 -44.247,36.779 -30.762,36.779 -26.952,32.969 -12.395,32.969 v1(-11.811,32.385) ; v1(-6.731,32.385) v1@-4.953,32.385 ; v1(-4.826,32.385) -4.826,33.524 -4.822,33.528 U4.7 ; v1(4.572,31.242) 4.572,31.75 13.538,40.716 43.612,40.716 45.466,38.862 JP2.1
  Bottom Layer w0.254: v1(-11.811,32.385) v1(-6.731,32.385) ; v1(-4.826,32.385) -2.159,32.385 -1.016,31.242 v1(4.572,31.242)
NB_Power_Control: R21.1 U4.33 | length 20.6
  Top Layer w0.254: R21.1 -12.827,18.923 -13.538,19.634 -13.538,22.075 -11.445,24.168 -8.852,24.168 v1(-6.704,26.316) ; U4.33 -3.322,27.071 v1(-2.54,26.289)
  Bottom Layer w0.254: v1(-6.704,26.316) -2.567,26.316 v1(-2.54,26.289)
NB_RESET: Q1.3 U2.22 | length 25.4
  Top Layer w0.254: Q1.3 v1(-4.705,12.96) ; v1(5.721,12.96) 5.721,12.137 12.778,5.08 U2.22
  Bottom Layer w0.254: v1(-4.705,12.96) v1(5.721,12.96)
NB_RESET_Control: R1.1 U4.29 | length 22.5
  Top Layer w0.254: v1(-13.716,22.86) -13.97,22.606 -13.97,14.224 -13.602,13.856 R1.1 ; v1(-11.684,22.86) -9.144,22.86 -5.322,26.682 U4.29
  Bottom Layer w0.254: v1(-13.716,22.86) v1(-11.684,22.86)
NB_RXD_PA9: R16.2 U4.30 | length 42.5
  Top Layer w0.254: U4.30 -4.822,26.793 1.219,20.752 1.219,15.418 14.351,2.286 20.193,2.286 20.828,2.921 R16.2
NB_TXD_PA10: R14.2 U4.31 | length 42.6
  Top Layer w0.254: U4.31 -4.322,26.904 1.651,20.931 1.651,15.597 14.53,2.718 19.498,2.718 20.063,3.283 20.063,4.36 20.066,4.363 20.066,4.953 20.383,5.271 R14.2
NetC11_2: C11.2 U4.5 X1.3 | length 9.8
  Top Layer w0.254: X1.3 -5.95,44.723 -5.601,45.072 C11.2 -4.953,40.469 -3.814,39.33 U4.5@-3.814,37.628
NetC12_1: C12.1 U4.3 X2.2 | length 11.3
  Top Layer w0.254: U4.3 -2.822,40.485 -0.127,43.18 C12.1 -1.537,45.072 -1.837,44.772 X2.2
NetC13_2: C13.2 U4.6 X1.1 | length 14.8
  Top Layer w0.254: X1.1 -8.93,46.823 -9.271,46.482 -9.271,45.339 -9.538,45.072 C13.2 -10.16,43.815 -9.779,43.434 -6.858,43.434 -5.385,41.961 -5.385,40.291 -4.322,39.228 U4.6
NetC14_1: C14.1 U4.4 X2.1 | length 11.1
  Top Layer w0.254: U4.4 -3.322,39.557 -3.556,39.791 C14.1 -2.299,45.072 -1.837,45.534 X2.1
NetC15_1: C15.1 D10.2 U4.1 | length 12
  Top Layer w0.254: U4.1 -1.822,40.469 1.397,43.688 C15.1 2.934,45.072 3.302,44.704 D10.2@3.302,43.561
NetC17_2: C17.2 C18.2 R35.2 U4.9 | length 21.9
  Top Layer w0.254: R35.2 C18.2 C17.2 -17.243,31.906 -16.764,32.385 -13.97,32.385 v1(-13.335,31.75) ; v1(-5.842,33.401) -5.822,33.421 U4.9
  Bottom Layer w0.254: v1(-13.335,31.75) -13.289,31.704 -6.142,31.704 -5.842,32.004 v1(-5.842,33.401)
NetC23_1: C23.1 U5.4 | length 8.7
  Top Layer w0.254: C23.1@-42.672,5.601 -36.817,5.601 -35.687,6.731 U5.4
NetD1_1: D1.1 RP1.8 | length 3.3
  Top Layer w0.254: RP1.8 -22.087,53.351 -21.456,53.982 D1.1
NetD2_1: D2.1 RP1.7 | length 2.4
  Top Layer w0.254: RP1.7 -21.19,51.835 -20.948,52.077 D2.1
NetD3_1: D3.1 RP1.6 | length 2.6
  Top Layer w0.254: RP1.6 -21.571,51.035 -20.708,50.172 D3.1
NetD4_1: D4.1 RP1.5 | length 3.9
  Top Layer w0.254: RP1.5 -22.087,48.884 -21.47,48.267 D4.1
NetD5_1: D5.1 R12.2 | length 11.9
  Top Layer w0.254: D5.1 22.853,1.263 23.622,2.032 23.622,7.239 22.669,8.191 R12.2
NetD6_1: D6.1 R19.2 | length 3.3
  Top Layer w0.254: R19.2 -23.381,2.019 D6.1
NetD7_1: D7.1 R22.2 | length 11.3
  Top Layer w0.254: R22.2 -28.067,1.397 -27.725,1.055 -22.106,1.055 -22.094,1.067 -18.872,1.067 -18.605,1.333 D7.1
NetD8_1: D8.1 R24.2 | length 18.4
  Top Layer w0.254: R24.2 -29.718,0.889 -29.452,0.623 -14.363,0.623 -14.097,0.889 D8.1
NetD9_1: D9.1 LS1.2 Q6.3 | length 10.1
  Top Layer w0.381: Q6.3 31.562,49.591 31.242,49.911 D9.1 35.55,51.358 LS1.2
NetD11_2: D11.2 JP3.1 | length 9.5
  Top Layer w0.762: D11.2 -45.198,15.861 -41.275,11.938 JP3.1
NetJP1_3: JP1.3 R25.2 | length 2.9
  Top Layer w0.254: R25.2 JP1.3@14.986,55.118
NetJP1_4: JP1.4 R26.2 | length 2.9
  Top Layer w0.254: R26.2 JP1.4@17.526,55.118
NetJP1_5: JP1.5 R27.2 | length 2.9
  Top Layer w0.254: R27.2 JP1.5@20.066,55.118
NetJP1_6: JP1.6 R28.2 | length 2.9
  Top Layer w0.254: R28.2 JP1.6@22.606,55.118
NetJP1_7: JP1.7 R30.2 | length 2.9
  Top Layer w0.254: R30.2 JP1.7@25.146,55.118
NetJP1_8: JP1.8 R31.2 | length 2.9
  Top Layer w0.254: R31.2 JP1.8@27.686,55.118
NetJP3_2: JP3.2 U7.3 | length 17.5
  Top Layer w0.762: U7.3 -38.213,21.957 -34.417,18.161 -34.417,13.081 -35.56,11.938 JP3.2
NetQ1_1: Q1.1 R1.2 R2.1 | length 4.9
  Top Layer w0.254: R1.2 -12.205,12.306 -11.938,12.573 -11.938,13.589 -11.671,13.856 R2.1 -10.995,13.91 Q1.1
NetQ2_1: Q2.1 Q3.3 R10.1 | length 4.2
  Top Layer w0.381: Q2.1 -49.591,40.955 -49.403,40.767 -49.403,40.145 R10.1 -49.416,38.748 -49.022,38.354 Q3.3
NetQ3_1: Q3.1 R13.2 R15.1 | length 3.4
  Top Layer w0.254: Q3.1 -49.464,35.24 -49.276,35.052 -49.276,32.779 R13.2
NetQ4_1: Q4.1 Q5.3 R18.1 | length 8.1
  Top Layer w0.381: R18.1 -11.036,21.463 -10.16,21.463 -9.972,21.651 Q4.1 -8.316,21.651 -8.001,21.336 -8.001,19.685 -6.858,18.542 Q5.3
NetQ5_1: Q5.1 R21.2 R23.1 | length 4.8
  Top Layer w0.381: R21.2 -12.332,16.243 -11.938,16.637 -11.938,17.526 -11.671,17.793 R23.1 ; R23.1@-11.049,17.918 Q5.1
NetQ6_1: Q6.1 R32.2 R33.1 | length 4.6
  Top Layer w0.254: Q6.1 30.612,45.207 30.734,45.085 30.734,44.376 R33.1 30.787,43.78 31.115,43.452 32.113,43.452 32.337,43.228 R32.2@32.337,42.799
NetR3_1: R3.1 U1.9 | length 3.2
  Top Layer w0.254: U1.9 -26.162,41.656 -25.908,41.91 R3.1
NetR4_1: R4.1 U1.8 | length 3.2
  Top Layer w0.254: U1.8 R4.1@-24.143,40.386
NetR6_2: R6.2 U3.3 | length 9.8
  Top Layer w0.254: R6.2 21.907,14.034 23.114,15.24 27.686,15.24 28.321,15.875 U3.3
NetR7_2: R7.2 U3.2 | length 16
  Top Layer w0.254: R7.2 31.051,16.954 31.877,16.129 31.877,13.716 31.496,13.335 U3.2
NetR8_2: R8.2 R9.2 U3.6 | length 13.1
  Top Layer w0.254: R9.2 19.812,9.652 20.066,9.906 20.066,10.795 20.383,11.112 R8.2 24.828,11.112 28.321,14.605 U3.6
NetR12_1: R12.1 U2.27 | length 7
  Top Layer w0.254: U2.27 16.129,11.43 16.51,11.049 16.51,9.017 17.335,8.191 R12.1
NetR14_1: R14.1 R17.1 U2.24 | length 6.3
  Top Layer w0.254: U2.24 16.891,7.62 17.78,6.731 R17.1 R14.1
NetR16_1: R16.1 U2.23 | length 5.5
  Top Layer w0.254: U2.23 16.256,6.35 18.796,3.81 R16.1
NetR29_1: R29.1 U4.20 | length 7.5
  Top Layer w0.254: R29.1 -12.039,31.014 -10.402,32.651 U4.20
NetR34_2: R34.2 U4.44 | length 14.2
  Top Layer w0.254: v1(-2.667,31.623) -2.667,33.401 -1.917,34.151 U4.44 ; v1(4.161,30.196) 6.21,30.196 R34.2
  Bottom Layer w0.254: v1(-2.667,31.623) -2.667,31.115 -1.824,30.272 4.085,30.272 v1(4.161,30.196)
NetR36_2: R36.2 U5.2 | length 8.5
  Top Layer w0.254: U5.2 -33.147,6.985 -32.512,6.35 -26.797,6.35 -26.543,6.096 R36.2
NetR37_2: R37.2 U5.3 | length 9.6
  Top Layer w0.254: U5.3 -34.417,6.477 -32.339,4.399 -28.494,4.399 -28.067,4.826 R37.2
NetV1_1: V1.1 V1.4 | length 19.1
  Bottom Layer w0.762: V1.1 V1.4
OLED_CLK: R25.1 U4.46 | length 23.4
  Top Layer w0.254: U4.46 2.355,35.151 14.986,47.782 R25.1
OLED_CS1: R28.1 U4.42 | length 30.9
  Top Layer w0.254: U4.42 2.187,33.151 17.601,48.565 21.768,48.565 22.606,49.403 R28.1
OLED_CS2: R31.1 U4.40 | length 36.6
  Top Layer w0.254: U4.40 2.409,32.151 17.883,47.625 26.162,47.625 27.686,49.149 R31.1
OLED_DC: R27.1 U4.43 | length 28
  Top Layer w0.254: U4.43 2.077,33.651 17.422,48.997 19.279,48.997 20.066,49.784 R27.1
OLED_FSO: R30.1 U4.41 | length 33.6
  Top Layer w0.254: U4.41 2.298,32.651 17.78,48.133 23.749,48.133 25.146,49.53 R30.1
OLED_MOSI: R26.1 U4.45 | length 25.1
  Top Layer w0.254: U4.45 2.466,34.651 17.526,49.711 R26.1
POWER_+: D11.1 V1.3 | length 30
  Top Layer w0.762: v1(-49.911,19.939) -49.911,18.274 D11.1
  Bottom Layer w0.762: v1(-49.911,19.939) -49.911,37.846 -48.108,39.649 V1.3
POWER_-: JP3.3 V1.2 | length 8.5
  Top Layer w0.762: JP3.3 -39.624,15.621 -38.608,16.637 v1(-37.719,16.637)
  Bottom Layer w0.762: V1.2 -37.719,17.908 v1(-37.719,16.637)
SWCLK_PA14: JP2.4 U4.37 | length 56.4
  Top Layer w0.254: U4.37 2.13,30.651 13.059,41.58 43.231,41.58 48.133,46.482 JP2.4
SWDIO_PA13: JP2.2 U4.34 | length 61.4
  Top Layer w0.254: v1(-3.81,30.988) -3.175,30.988 -2.822,30.635 U4.34 ; v1(1.681,29.591) 13.238,41.148 49.276,41.148 JP2.2
  Bottom Layer w0.254: v1(-3.81,30.988) -2.413,29.591 v1(1.681,29.591)
UD+: U5.5 USB1.3 | length 14.9
  Top Layer w0.254: USB1.3 -43.688,11.557 -42.418,10.287 -42.418,6.858 -41.656,6.096 -37.719,6.096 -36.957,6.858 U5.5
UD-: U5.6 USB1.2 | length 13.5
  Top Layer w0.254: USB1.2 -43.727,12.207 -41.986,10.466 -41.986,7.037 -41.477,6.528 -38.557,6.528 -38.227,6.858 U5.6
USART3_RXD_PB10: R37.1 U4.21 | length 38.8
  Top Layer w0.254: R37.1 -28.067,7.62 -27.178,8.509 -19.534,8.509 -16.129,11.914 -16.129,27.042 -13.199,29.972 -12.422,29.972 -10.243,32.151 U4.21
USART3_TXD_PB11: R36.1 U4.22 | length 36.8
  Top Layer w0.254: R36.1 -20.307,7.125 -15.697,11.735 -15.697,26.863 -13.097,29.464 -12.319,29.464 -10.132,31.651 U4.22
USIM_CLK: C7.2 R6.1 U2.29 | length 6
  Top Layer w0.254: U2.29 19.215,13.97 R6.1 C7.2
USIM_GND: R5.1 U2.35 U3.4 | length 75.5
  Top Layer w0.381: U2.35 15.119,22.6 16.383,21.336 R5.1 19.278,23.85 21.919,26.491 U3.4@33.909,26.491 ; U3.4@29.845,9.525 29.845,8.636 30.48,8.001 U3.4@33.909,8.001 ; U3.4@46.439,8.001 U3.4@33.909,8.001 ; U3.4@46.439,26.491 U3.4@33.909,26.491 ; U3.4@33.909,8.001 U3.4@33.909,26.491
USIM_IO: C4.1 R8.1 U2.28 | length 6
  Top Layer w0.254: U2.28 19.151,12.7 C4.1 R8.1
USIM_RST: C6.2 R7.1 U2.30 | length 6.7
  Top Layer w0.254: U2.30 16.751,15.24 18.466,16.954 R7.1 C6.2
USIM_VDD: C5.2 R9.1 U2.31 U3.1 | length 49.1
  Top Layer w0.254: R9.1 24.13,9.652 25.273,10.795 U3.1
  Top Layer w0.381: v1(12.192,16.51) U2.31 16.51,16.51 17.272,17.272 17.272,18.923 18.224,19.875 C5.2 ; v1(22.987,18.034) 30.861,18.034 32.766,16.129 32.766,11.684 31.877,10.795 U3.1
  Bottom Layer w0.381: v1(12.192,16.51) 12.192,17.272 12.954,18.034 v1(22.987,18.034)
VCC_5V: C16.1 C19.1 C20.2 U5.16 U6.3 U7.4 USB1.1 | length 63.5
  Top Layer w0.254: -33.782,9.398 -33.782,6.731 -32.812,5.761 -30.96,5.761 -30.774,5.575 C16.1 -29.591,4.953 -29.713,4.831 -30.993,4.831 v1(-31.242,5.08) ; U5.16 -31.792,2.54 v1(-30.861,2.54)
  Top Layer w0.381: USB1.1 -43.561,12.857 -40.102,9.398 -33.782,9.398 -33.274,9.906 -33.274,18.796 -36.343,21.865 U7.4
  Top Layer w0.762: U6.3 -42.397,28.554 -42.037,28.194 -32.639,28.194 -31.548,27.103 C19.1 -32.59,25.83 -33.134,25.286 C20.2 -35.314,25.286 U7.4
  Bottom Layer w0.254: v1(-31.242,5.08) -31.242,2.921 v1(-30.861,2.54)
VCC_BLUE: C1.1 Q2.3 U1.2 | length 8.2
  Top Layer w0.508: Q2.3 -48.006,44.069 -47.739,44.336 C1.1 -47.739,46.241 -47.244,46.736 U1.2
VCC_NB: C2.1 C3.2 Q4.3 U2.39 U2.40 | length 27.1
  Top Layer w0.381: Q4.3 -6.858,24.003 v1(-6.223,24.638) ; v1(-0.762,24.638) 3.302,24.638 4.889,26.226 4.889,28.258 5.461,28.829 C3.2 6.21,22.639 U2.39 U2.40
  Bottom Layer w0.381: v1(-6.223,24.638) v1(-0.762,24.638)
WakeUp_KEY1_PA0: C8.1 R11.1 S1.1 U4.10 | length 26.2
  Top Layer w0.254: U4.10 -6.322,39.342 -11.176,44.196 -11.176,50.038 -9.754,51.46 S1.1 -5.334,51.632 -5.334,52.425 -4.94,52.819 C8.1 R11.1
pads on no net: S1.3 S1.4 S2.3 S2.4 U1.3 U1.4 U1.5 U1.6 U1.7 U1.11 U1.15 U1.16 U2.1@-2.636,20.34 U2.2@0.804,20.34 U2.3 U2.4 U2.5 U2.6 U2.7 U2.8 U2.9 U2.10 U2.11 U2.12 U2.25 U2.26 U2.32 U2.33 U2.34 U2.36 U3.5 U4.2 U4.18 U4.19 U4.28 U4.32 U4.38 U5.7 U5.8 U5.9 U5.10 U5.11 U5.12 U5.13 U5.14 U5.15 U7.2 X1.2 X1.4

## Polygon pours and split planes (outlines as drawn)
GND on Bottom Layer "GND_L02_P004" (solid, remove dead copper, pour order 4): -62.5,62.5 62.5,62.5 62.5,-12.5 -62.5,-12.5
GND on Top Layer "GND_L01_P002" (solid, remove dead copper, pour order 2): -62.5,62.5 65,62.5 65,-12.5 -62.5,-12.5

## Keep-outs
Keep-Out Layer:
  lines w0.254: 45.977,57.023 46,57 ; 52,52.832 ccw(c47.905,52.928) 48,57.023 -22.352,57.023 -27.305,57.023 -27.305,52.705 -42.672,52.705 -42.672,56.896 -42.776,57 -48,57 ccw(c-48,53) -52,53 -52,4 ccw(c-48.064,4.063) -48,0.127 48,0.127 ccw(c48.064,4.063) 52,4 52,53

## Other copper
Top Layer:
  pour cut-out: 41.91,57.023 41.924,57.009 41.924,37.084 51.786,37.084 51.786,56.89
  pour cut-out: 42.164,6.604 42.164,0.127 42.291,0 53.34,0 53.34,6.604
  pour cut-out: -51.45,6.331 -35.052,6.331 -35.052,0.127 -35.179,0 -51.562,0
  text "基于蓝牙和NB模组的数据收集器" at 9.652,32.766 h3

## Silkscreen, mask and mechanical layers (free items; w line width, h text height)
Top Overlay:
  circle w0.254: c-46.482,53.721 r2.65
  circle w0.254: c46.355,53.594 r2.65
  circle w0.254: c-46.482,3.429 r2.65
  circle w0.254: c46.355,3.429 r2.65
  text "VCC" at 44.958,48.514 h2
  text "CLK" at 44.958,45.974 h2
  text "GND" at 44.958,43.18 h2
  text "DIO" at 44.958,40.64 h2
  text "RST" at 44.958,38.354 h2
  text "Designer By:LFZ" at 25.4,4.572 h2
  text "V1.0" at 25.4,2.54 h2
  text "Date:2019.12.22" at 25.4,0.508 h2
Top Solder:
  text "基于蓝牙和NB模组的数据收集器" at 9.652,32.766 h3
Mechanical 1:
  lines w0.254: 45.977,57.023 46,57 ; 52,52.832 ccw(c47.905,52.928) 48,57.023 -22.352,57.023 -27.305,57.023 -27.305,52.705 -42.672,52.705 -42.672,56.896 -42.776,57 -48,57 ccw(c-48,53) -52,53 -52,4 ccw(c-48.064,4.063) -48,0.127 48,0.127 ccw(c48.064,4.063) 52,4 52,53

## Text inside footprints (layer, text, board x,y; h text height)
JP3: Top Overlay "3" at -40.132,16.002 h1.02 r270; Top Overlay "4" at -37.592,16.002 h1.02 r270; Top Overlay "2" at -37.592,9.398 h1.02 r270; Top Overlay "1" at -40.132,9.652 h1.02 r270
U3: Top Overlay "SIM" at 37.211,11.811 h6 r90
USB1: Top Overlay "USB" at -49.424,13.081 h1.02 r270